# Altium PCB 继电器程控放大.PcbDoc
Units mm, origin at the board's own origin, x right, y up, seen from the top; angles counter-clockwise.
Board outline 60 x 38.5 mm, 2 copper layers (Top Layer, Bottom Layer); 41 components, 25 nets, 112 pads, 22 vias.
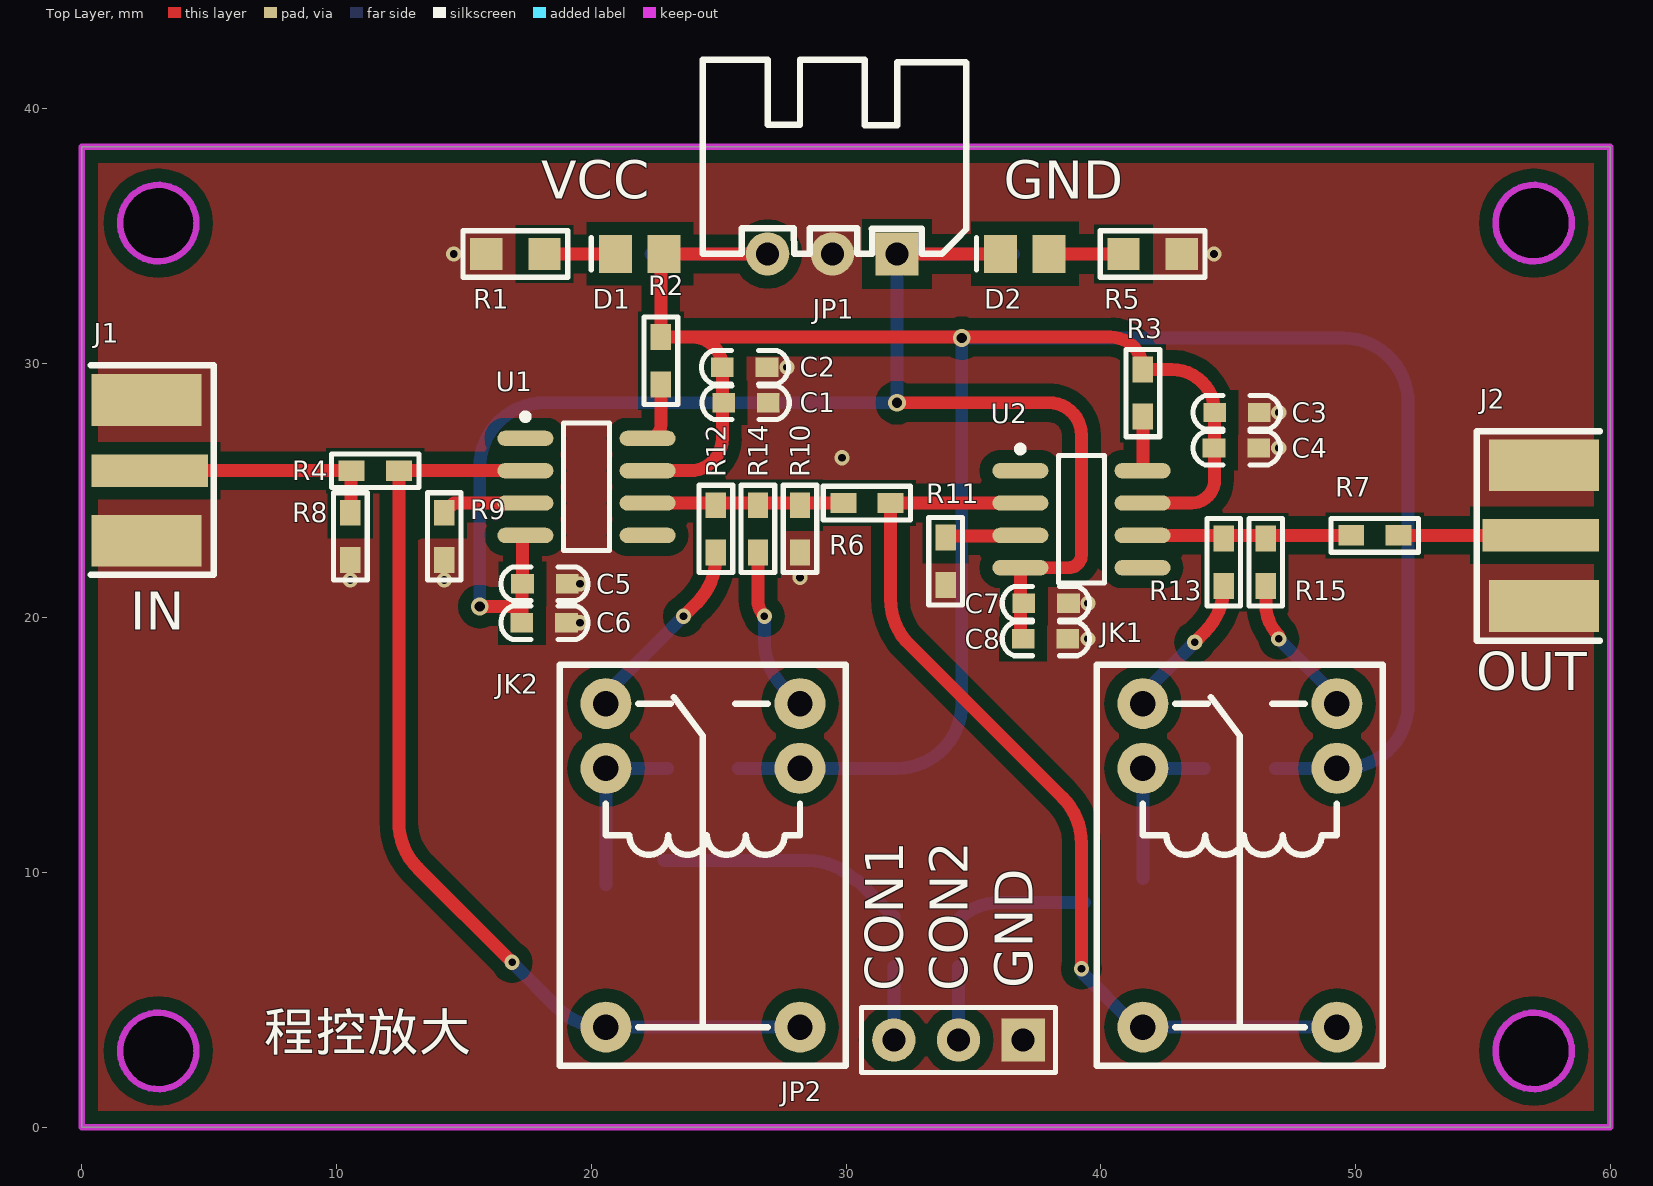
[diagram p0: Top Layer view]
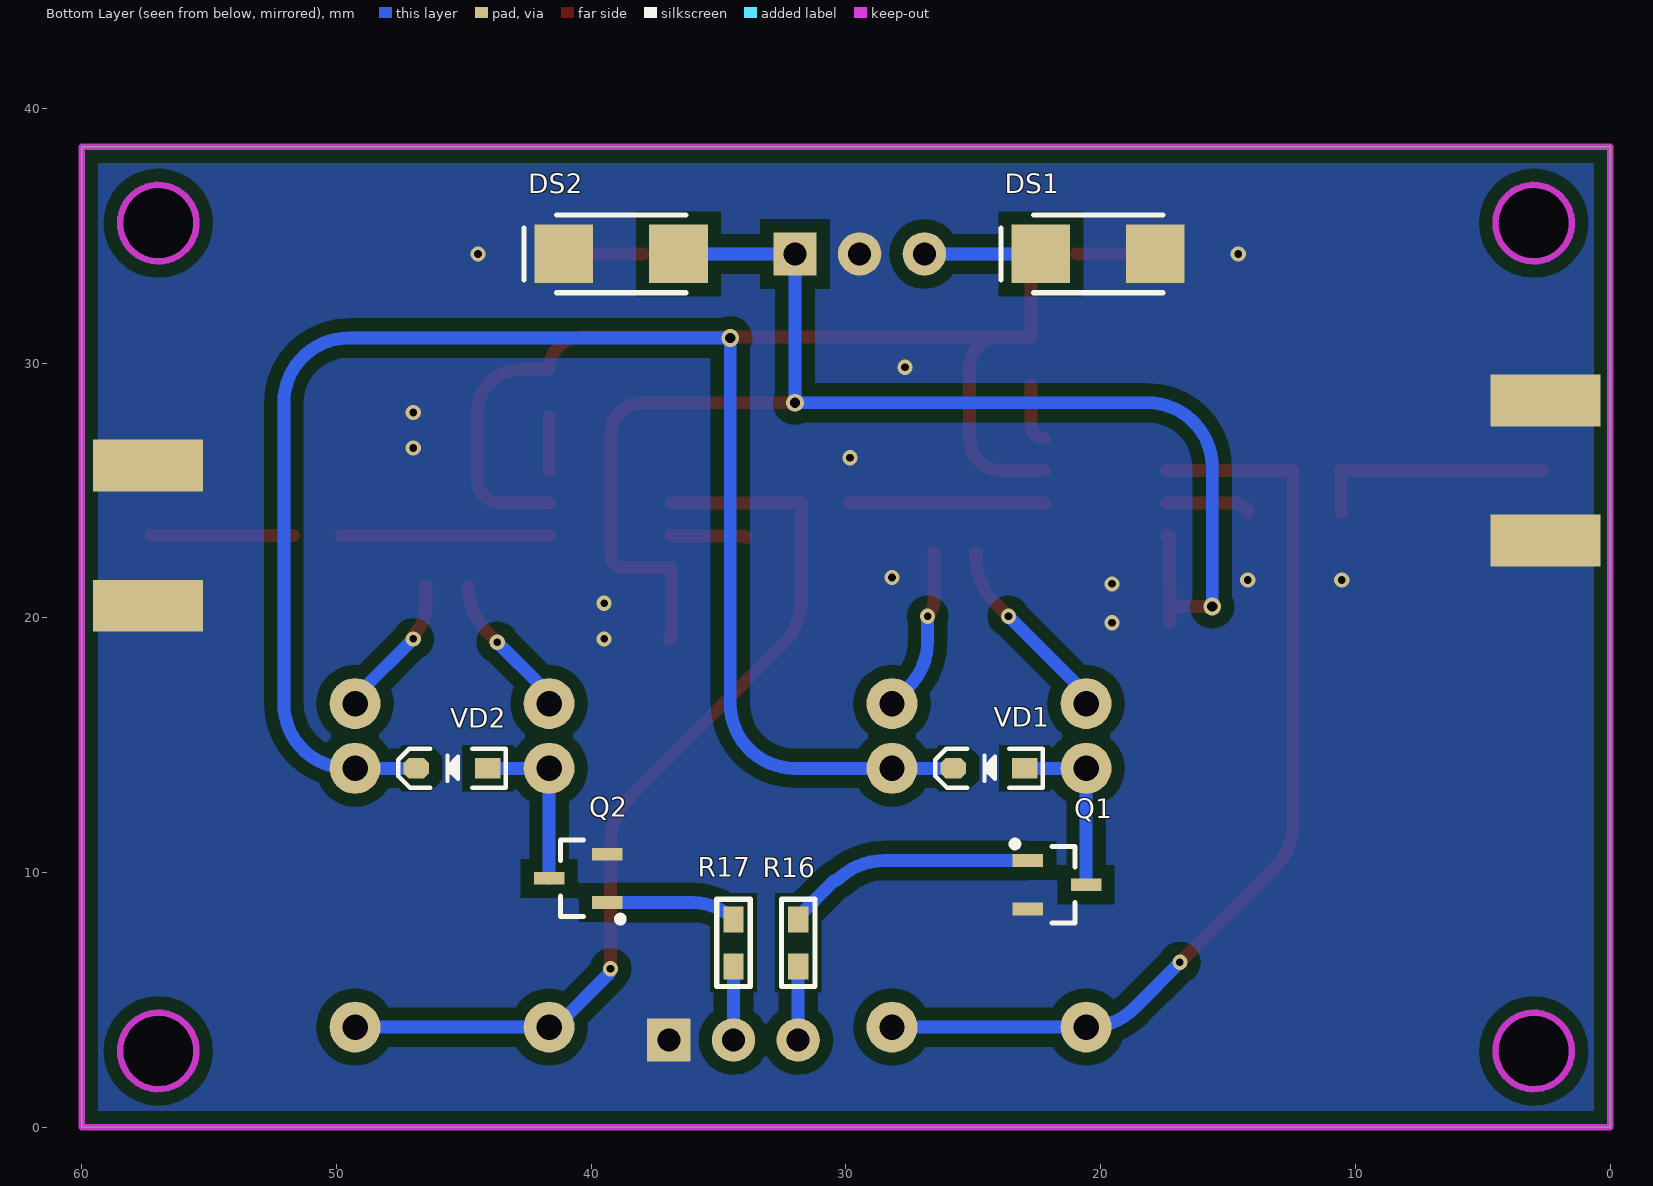
[diagram p1: Bottom Layer view, seen from below]

## Layer stack, top to bottom
Top Solder: solder mask 0.0102, Solder Resist, Dk 3.5
Top Layer: signal copper 0.0356
Dielectric 1: dielectric 0.32, FR-4, Dk 4.8
Bottom Layer: signal copper 0.0356
Bottom Solder: solder mask 0.0102, Solder Resist, Dk 3.5

## Board outline
0,0 60,0 60,38.5 0,38.5
cut-out: 3,1.5 cw(c3,3) 1.5,3 cw(c3,3) 3,4.5 cw(c3,3) 4.5,3 cw(c3,3)
cut-out: 55.5,3 ccw(c57,3) 57,1.5 ccw(c57,3) 58.5,3 ccw(c57,3) 57,4.5 ccw(c57,3)
cut-out: 55.5,35.5 ccw(c57,35.5) 57,34 ccw(c57,35.5) 58.5,35.5 ccw(c57,35.5) 57,37 ccw(c57,35.5)
cut-out: 3,34 cw(c3,35.5) 1.5,35.5 cw(c3,35.5) 3,37 cw(c3,35.5) 4.5,35.5 cw(c3,35.5)

## Design rules (kind name [scope] priority, off if disabled: settings)
Clearance [All] p1: gap=0.254 ignorepadtopadclearanceinfootprint=FALSE except(0: Arc-Hole Track-Hole SMDPad-Hole THPad-Hole Via-Hole Fill-Hole Poly-Text Poly-Hole Region-Hole Text-Hole; 0.508: Arc-Poly Track-Poly SMDPad-Poly THPad-Poly Via-Poly Fill-Poly Poly-Poly)
MinimumSolderMaskSliver [All] p1: minsoldermaskwidth=0
PolygonConnect [All] p1: connectstyle=Direct reliefconductorwidth=0.254 reliefentries=4 polygonreliefangle="90 Angle" airgapwidth=0.254
RoutingVias [All] p1: holewidth=0.711 width=1.778 viastyle="Through Hole" minholewidth=0.3 minwidth=0.6 maxholewidth=0.711 maxwidth=1.778
ShortCircuit [All] p1: allowed=TRUE
SilkToSilkClearance [All] p1: silktosilkclearance=0
SilkToSolderMaskClearance [IsPad] p1: minsilkscreentomaskgap=0 clearancetoexposedcopper=TRUE
SolderMaskExpansion [All] p1: expansion=0.102
Width [All] p1: maxlimit=2.54 minlimit=0.025 preferedwidth=0.254
26 further rules are at their usual default settings.

## Components (designator, comment, footprint, x,y, rotation, side; value= is the part's Value field where it differs from the comment)
C1 "104" "C 0603" 26.06,28.448 r180 top
C2 "1uF" "C 0603" 26.035,29.845 r0 top
C3 "104" "C 0603" 45.339,28.067 r180 top
C4 "1uF" "C 0603" 45.339,26.67 r0 top
C5 "104" "C 0603" 18.161,21.336 r180 top
C6 "1uF" "C 0603" 18.161,19.812 r0 top
C7 "104" "C 0603" 37.846,20.574 r180 top
C8 "1uF" "C 0603" 37.846,19.177 r0 top
D1 "LED" LED_0805 21.905,34.29 r180 top
D2 "LED" LED_0805 37.023,34.29 r180 top
DS1 "D Schottky" DIODE-SMA 20.102,34.29 r0 bottom
DS2 "D Schottky" DIODE-SMA 38.826,34.29 r0 bottom
J1 "COAX" MCX5.08-5-H 2.667,25.781 r0 top
J2 "COAX" MCX5.08-5-H 57.277,23.241 r180 top
JK1 "HK4100F-DC5V-SHG" HK4100F 45.466,10.287 r270 top
JK2 "HK4100F-DC5V-SHG" HK4100F 24.384,10.287 r270 top
JP1 "HDR-1X3" XH2.54-3P_H 32.004,34.29 r180 top
JP2 "HDR-1X3" HDR-1X3 36.957,3.429 r180 top
Q1 "S9013" SOT23-3N 21.717,9.525 r270 bottom
Q2 "S9013" SOT23-3N 40.513,9.776 r90 bottom
R1 "1K" "R 0805" 17.018,34.29 r180 top
R2 "200" "R 0603" 22.733,30.099 r270 top
R3 "200" "R 0603" 41.656,28.829 r270 top
R4 "200" "R 0603" 11.519,25.781 r180 top
R5 "1K" "R 0805" 42.037,34.29 r180 top
R6 "200" "R 0603" 30.823,24.511 r180 top
R7 "50" "R 0603" 50.762,23.241 r180 top
R8 "67" "R 0603" 10.541,23.203 r270 top
R9 "146" "R 0603" 14.224,23.203 r90 top
R10 "67" "R 0603" 28.194,23.495 r270 top
R11 "146" "R 0603" 33.909,22.225 r270 top
R12 "2K" "R 0603" 24.892,23.495 r90 top
R13 "40" "R 0603" 44.831,22.187 r270 top
R14 "2.5K" "R 0603" 26.543,23.495 r90 top
R15 "2K" "R 0603" 46.482,22.187 r270 top
R16 "200" "R 0603" 31.877,7.239 r90 bottom
R17 "200" "R 0603" 34.417,7.239 r90 bottom
U1 "OPA690" SOIC8_N 19.812,25.146 r0 top
U2 "OPA690" SOIC8_N 39.243,23.876 r0 top
VD1 "1N4148" SOD-323 24.384,14.097 r0 bottom
VD2 "1N4148" SOD-323 45.466,14.097 r0 bottom

## Footprints (in the part's own frame and the unit in brackets; to place one, negate y for a bottom-side part, rotate by r counter-clockwise, add the part's x,y. Pads: shape width x height; smd on the part's side, far side on the other; paste and mask are expansions set on the pad)
"C 0603" [mil] "无极性贴片电容"
  rect 35x30 smd: 1(-35,0) 2(34,0)
  silkscreen extent -67,-26 67,26, body extent -31,-16 31,16, height 32
DIODE-SMA [mm] "贴片二极管"
  rect 2.3x2.3 smd: 1(-2.25,0) 2(2.25,0)
  silkscreen extent -2.54,-1.52 3.81,1.52, body extent -2.92,-1.4 2.92,1.4, height 3
HDR-1X3 [mm] "排针，3脚"
  rect 1.7x1.7 hole 0.9: 1(0,0)
  round 1.7 hole 0.9: 2(2.54,0) 3(5.08,0)
  silkscreen extent -1.27,-1.27 6.35,1.27, body extent -1.27,-1.27 6.35,1.27, height 8.5
HK4100F [mm] "继?"
  round 2 hole 1: 1(-3.81,3.81) 2(-3.81,-3.81) 3(6.35,3.81) 3(6.35,-3.81) 4(-6.35,3.81) 5(-6.35,-3.81)
  silkscreen extent -7.87,-5.61 7.87,5.61, body extent -7.75,-5.5 7.75,5.5, height 12.2
LED_0805 [mm] "贴片二极管"
  rect 1.3x1.5 smd: 1(-0.95,0) 2(0.95,0)
  silkscreen extent 1.91,-0.63 1.91,0.64
MCX5.08-5-H [mil]
  rect 180x50 smd: 1(0,0)
  rect 170x80 smd: 2(-5,109.25) 5(-5,-108.27)
  rect 170x80 smd far side: 3(-5,108.66) 4(-5,-107.87)
  silkscreen extent -92,-161 99,163, body extent -93,-132 80,134, height 39
"R 0603" [mil] "1/10W贴片电阻"
  rect 40x31.5 smd: 1(-36.5,0) 2(36.5,0)
  silkscreen extent -68,-26 68,26, body extent -31,-16 32,16, height 16
"R 0805" [mil] "1/8W贴片电阻"
  rect 50x50 smd: 1(-45,0) 2(45,0)
  silkscreen extent -81,-36 81,36, body extent -39,-25 39,25, height 20
SOD-323 [mm] "1.8x1.3X0.9mm（长宽高，不包括引脚）"
  rect 1x0.8 smd: 1(-1.4,0)
  oct 1x0.8 smd: 2(1.4,0)
  silkscreen extent -2.11,-0.76 2.11,0.76, body extent -1.34,-0.63 1.31,0.67, height 1
SOIC8_N [mm] "8-Pin Small Outline Integrated Circuit Package (SOIC8), IPC Medium Density"
  oval 2.2x0.6 smd: 1(-2.4,1.905) 2(-2.4,0.635) 3(-2.4,-0.635) 4(-2.4,-1.905) 5(2.4,-1.905) 6(2.4,-0.635) 7(2.4,0.635) 8(2.4,1.905)
  silkscreen extent -2.52,-2.5 0.9,2.88, body extent -1.95,-2.45 1.95,2.45, height 1.75
SOT23-3N [mm] "3x1.3x1mm(长宽高)"
  rect 0.5x1.2 smd: 1(-0.95,-1.143) 2(0.95,-1.143) 3(0,1.143)
  silkscreen extent -1.72,-1.78 1.5,0.7, body extent -1.5,-1.2 1.5,1.2, height 1.05
XH2.54-3P_H [mm] "接插件，3P"
  rect 1.7x1.7 hole 0.9: 1(0,0)
  round 1.7 hole 0.9: 2(2.54,0) 3(5.08,0)
  silkscreen extent -2.72,-7.62 7.62,0, body extent -2.5,-7.35 7.58,0.35, height 5.73

## Part data
C1 C2 C3 C4 C5 C6 C7 C8: library part C, "无极性贴片电容"
D1 D2: "发光二极管", LatestRevisionDate=08-Jul-2005, LatestRevisionNote="Mech Layer 1 removed.", PackageReference=LED, Published=8-Jun-2000, Publisher="Altium Limited"
DS1 DS2: "Schottky Diode", Code_JEDEC=DO-214-AA, LatestRevisionDate=17-Jul-2002, LatestRevisionNote="Re-released for DXP Platform.", PackageDescription="DO-214-AA/SMB; 2 C-Bend Leads; Body 5.3 x 3.6 mm, inc. leads (LxW)", PackageReference=SMB, Published=8-Jun-2000, Publisher="Altium Limited"
JK1 JK2: library part HK4100F, "单路双控继电器", BOM名称=单路双控继电器, 学习资源=www.ooocke.com, 版权归属=源创客
JP1 JP2: library part "Header 3", "3P接插件"
  JP1: BOM名称=3P接插件, 学习资源=www.ooocke.com, 版权归属=源创客
Q1 Q2: library part 9013-SMD, "低频放大-NPN型", BOM名称=低频放大-NPN型, 学习资源=www.ooocke.com, 属性=50V?0.5A?0.625W, 版权归属=源创客
R1 R2 R3 R4 R5 R6 R7 R8 R9 R10 R11 R12 R13 R14 R15 R16 R17: library part R, "贴片电阻"
U1 U2: library part OPA690ID, "具有禁用功能的宽带电压反馈运算放大器"
VD1 VD2: "高速开关二极管"

## Via types
v1: diameter 0.6, hole 0.3, Top Layer to Bottom Layer, tented both sides, 19 vias
v2: diameter 0.7, hole 0.4, Top Layer to Bottom Layer, tented both sides, 3 vias

## Nets (pads, with @x,y where several pads share a name; then routed paths per layer and width w, separated by ;. In a path a pad name is that pad's centre, name@x,y a point inside that pad or via, vN(x,y) a via of type N, cw(c..) or ccw(c..) an arc to the next point about the centre after c; other vN are vias at no path point)
CON1: JP2.3 R16.1 | length 2.9
  Bottom Layer w0.508: JP2.3 R16.1
CON2: JP2.2 R17.1 | length 2.9
  Bottom Layer w0.508: JP2.2 R17.1
GND: C1.1 C2.2 C3.1 C4.2 C5.1 C6.2 C7.1 C8.2 DS1.1 DS2.2 J1.2 J1.3 J1.4 J1.5 J2.2 J2.3 J2.4 J2.5 JP1.2 JP2.1 Q1.2 Q2.2 R1.2 R5.1 R8.2 R9.1 R10.2 R11.2
  other v1: 39.497,19.177 19.558,19.812 39.497,20.574 19.558,21.336 10.541,21.488 14.224,21.488 28.194,21.59 29.845,26.289 46.99,26.67 46.99,28.067 27.686,29.845 14.605,34.29 44.45,34.29
NetD1_2: D1.2 R1.1 | length 2.8
  Top Layer w0.508: R1.1 D1.2
NetD2_1: D2.1 R5.2 | length 2.9
  Top Layer w0.508: D2.1 R5.2
NetJ1_1: J1.1 R4.2 R8.1 | length 9.6
  Top Layer w0.508: J1.1 R4.2 10.566,25.756 10.566,24.155 R8.1
NetJ2_1: J2.1 R7.1 | length 5.6
  Top Layer w0.508: R7.1 J2.1
NetJK1_2: JK1.2 Q2.3 VD2.1 | length 6.7
  Bottom Layer w0.508: Q2.3 JK1.2 VD2.1
NetJK1_3: JK1.3 R6.1 U2.2 | length 37.3
  Top Layer w0.508: U2.2 R6.1 31.75,20.737 ccw(c34.29,20.737) 32.336,19.115 38.499,12.951 cw(c36.703,11.155) 39.243,11.155 v1(39.243,6.223)
  Bottom Layer w0.508: v1(39.243,6.223) ccw(c39.55,6.223) 39.333,6.006 41.222,4.117 ccw(c41.656,4.55) 41.656,3.937 JK1.3@49.276,3.937
NetJK1_4: JK1.4 R15.2 | length 5.7
  Top Layer w0.508: R15.2 46.482,20.53 ccw(c48.216,20.53) 46.99,19.304 v1(46.99,19.177)
  Bottom Layer w0.508: v1(46.99,19.177) 49.096,17.071 cw(c48.663,16.637) JK1.4
NetJK1_5: JK1.5 R13.2 | length 5.8
  Top Layer w0.508: v1(43.688,19.05) 44.087,19.449 ccw(c42.291,21.245) 44.831,21.245 R13.2
  Bottom Layer w0.508: JK1.5 cw(c42.575,16.637) 41.925,17.287 v1(43.688,19.05)
NetJK2_2: JK2.2 Q1.3 VD1.1 | length 7
  Bottom Layer w0.508: Q1.3 JK2.2 VD1.1
NetJK2_3: JK2.3 R4.1 U1.2 | length 38.2
  Top Layer w0.508: v1(16.891,6.477) 13.19,10.178 cw(c14.986,11.974) 12.446,11.974 R4.1 U1.2
  Bottom Layer w0.508: v1(16.891,6.477) 18.687,4.681 ccw(c20.483,6.477) 20.483,3.937 20.574,3.937 JK2.3@28.194,3.937
NetJK2_4: JK2.4 R14.1 | length 6.5
  Top Layer w0.508: R14.1 26.543,20.679 ccw(c27.41,20.679) v1(26.797,20.066)
  Bottom Layer w0.508: v1(26.797,20.066) 26.797,19.086 ccw(c29.337,19.086) 27.541,17.29 JK2.4
NetJK2_5: JK2.5 R12.1 | length 7.6
  Top Layer w0.508: v1(23.622,20.066) 24.148,20.592 ccw(c22.352,22.388) 24.892,22.388 R12.1
  Bottom Layer w0.508: JK2.5 cw(c21.494,16.637) 20.843,17.287 v1(23.622,20.066)
NetQ1_1: Q1.1 R16.2 | length 9.9
  Bottom Layer w0.508: Q1.1 28.516,10.475 cw(c28.516,7.935) 30.236,9.804 ccw(c30.581,10.177) 30.47,9.681 31.877,8.274 R16.2
NetQ2_1: Q2.1 R17.2 | length 5.1
  Bottom Layer w0.508: R17.2 cw(c36.011,6.572) 36.011,8.826 Q2.1
NetR2_2: R2.2 U1.8 | length 2.4
  Top Layer w0.508: U1.8 ccw(c22.212,27.572) 22.733,27.572 R2.2
NetR3_2: R3.2 U2.8 | length 2.1
  Top Layer w0.508: U2.8 ccw(c41.612,25.812) 41.656,25.812 R3.2
NetR6_2: R6.2 R10.1 R12.2 R14.2 U1.6 | length 7.7
  Top Layer w0.508: U1.6 R6.2
NetR7_2: R7.2 R13.1 R15.1 U2.6 | length 8.2
  Top Layer w0.508: U2.6 R7.2
NetR9_2: R9.2 U1.3 | length 3.4
  Top Layer w0.508: R9.2 14.224,24.238 14.37,24.384 14.478,24.384 14.605,24.511 U1.3
NetR11_1: R11.1 U2.3 | length 3
  Top Layer w0.508: R11.1 33.98,23.223 36.825,23.223 U2.3
VCC: C1.2 C2.1 C3.2 C4.1 D1.1 DS1.2 JK1.1 JK2.1 JP1.3 R2.1 R3.1 U1.7 U2.7 VD1.2 VD2.2 | length 111.7
  Top Layer w0.508: U1.7 23.876,25.781 ccw(c23.876,27.051) 25.146,27.051 25.146,28.448 C2.1 ccw(c23.965,29.845) 23.965,31.026 ; JP1.3 D1.1 ccw(c22.855,34.168) 22.733,34.168 R2.1 23.965,31.026 ; U2.7 43.561,24.511 ccw(c43.561,25.425) 44.475,25.425 44.475,26.67 C3.2 ccw(c42.786,28.067) 42.786,29.756 R3.1 ccw(c40.386,29.756) 40.386,31.026 34.544,31.026 23.965,31.026
  Bottom Layer w0.508: DS1.2 JP1.3 ; VD1.2 32.004,14.097 ccw(c32.004,16.637) 34.544,16.637 v2(34.544,30.988) 49.53,30.988 cw(c49.53,28.448) 52.07,28.448 52.07,16.637 cw(c49.53,16.637) 49.53,14.097 VD2.2
VEE: C5.2 C6.1 C7.2 C8.1 D2.2 DS2.1 JP1.1 U1.4 U2.4 | length 61.3
  Top Layer w0.508: v2(15.621,20.447) 17.158,20.447 ccw(c17.158,20.574) 17.285,20.574 ; C6.1 17.285,19.825 17.285,20.574 ; U1.4 17.34,23.241 17.297,23.199 C5.2 17.285,21.323 17.285,20.574 ; v2(32.004,28.448) 37.973,28.448 cw(c37.973,27.178) 39.243,27.178 39.243,22.479 cw(c38.735,22.479) 38.735,21.971 U2.4 36.843,19.291 ccw(c36.957,19.291) C8.1 ; JP1.1 D2.2
  Bottom Layer w0.508: v2(15.621,20.447) 15.621,25.908 cw(c18.161,25.908) 18.161,28.448 v2(32.004,28.448) JP1.1 DS2.1
pads on no net: U1.1 U1.5 U2.1 U2.5

## Polygon pours and split planes (outlines as drawn)
GND on Bottom Layer "Top Layer-No Net1" (solid, remove dead copper, pour order 1): 0,0 60,0 60,38.5 0,38.5
GND on Top Layer "Top Layer-No Net" (solid, remove dead copper, pour order 0): 0,0 60,0 60,38.5 0,38.5

## Keep-outs
Keep-Out Layer:
  circle w0.254: c57,3 r1.5
  circle w0.254: c3,3 r1.5
  circle w0.254: c57,35.5 r1.5
  circle w0.254: c3,35.5 r1.5
  lines w0.254: 0,0 0,38.5 60,38.5 60,0 0,0

## Other copper
Top Layer:
  pour cut-out: 15.748,27.813

## Silkscreen, mask and mechanical layers (free items; w line width, h text height)
Top Overlay:
  text "VCC" at 18.034,35.969 h2.54
  text "GND" at 36.195,35.972 h2.54
  text "IN" at 1.905,19.05 h2.54
  text "OUT" at 54.737,16.668 h2.54
  text "GND" at 37.815,5.461 h2.54 r90
  text "CON1" at 32.735,5.334 h2.54 r90
  text "CON2" at 35.275,5.334 h2.54 r90
  text "程控放大" at 7.112,2.54 h2.54